# Altium PCB VHDCI_Carrier.PCBDOC (part 5 of 7) (continued)
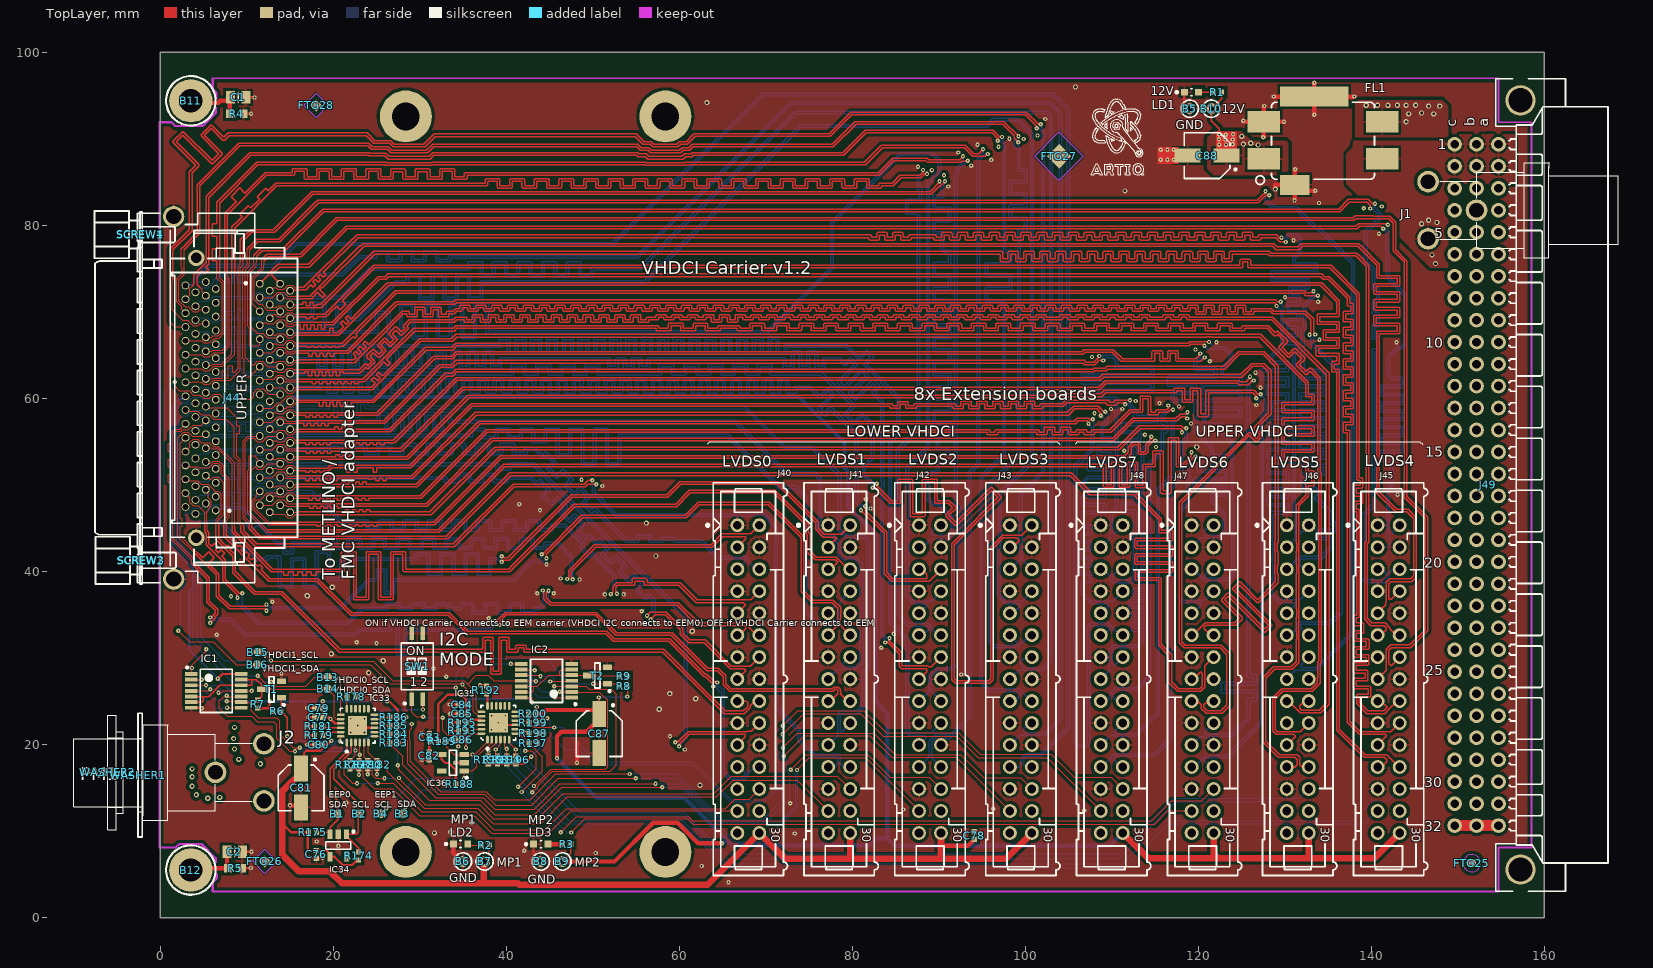
[diagram p0: TopLayer view]
## Nets (pads, with @x,y where several pads share a name; then routed paths per layer and width w, separated by ;. In a path a pad name is that pad's centre, name@x,y a point inside that pad or via, vN(x,y) a via of type N, cw(c..) or ccw(c..) an arc to the next point about the centre after c; other vN are vias at no path point) (continued)
LVDS5_6_N: J44.U49 J46.21 | length 205.5
  TopLayer w0.127: J44.U49@13.875,62.071 14.002,61.944 15.926,61.944 15.952,61.919
  TopLayer w0.152: 15.952,61.919 17,61.919 17.203,61.919 17.61,61.919 17.61,61.7 18.016,61.7 18.016,61.919 18.422,61.919 18.422,61.7 18.829,61.7 18.829,61.919 19.235,61.919 19.235,61.7 19.642,61.7 19.642,61.919 20.048,61.919 20.048,61.7 20.454,61.7 20.454,61.919 20.861,61.919 20.861,61.7 21.267,61.7 21.267,61.919 21.674,61.919 21.674,61.7 22.08,61.7 22.08,61.919 22.486,61.919 22.486,61.7 22.893,61.7 22.893,61.919 23.299,61.919 23.55,61.919 23.693,62.062 23.8,62.169 25.431,63.8 25.575,63.944 25.862,64.231 26.309,63.784 26.597,64.071 26.149,64.518 26.437,64.806 26.666,65.034 29.431,67.8 33.996,67.8 34.296,68.1 57.324,68.1 57.324,67.964 ccw(c57.477,67.964) 57.477,67.811 58.899,67.811 ccw(c58.899,67.964) 59.052,67.964 59.052,68.389 60.169,68.389 60.169,67.964 ccw(c60.322,67.964) 60.322,67.811 61.744,67.811 ccw(c61.744,67.964) 61.896,67.964 61.896,68.389 63.014,68.389 63.014,67.964 ccw(c63.166,67.964) 63.166,67.811 64.589,67.811 ccw(c64.589,67.964) 64.741,67.964 64.741,68.1 66.718,68.1 66.718,67.964 ccw(c66.87,67.964) 66.87,67.811 68.293,67.811 ccw(c68.293,67.964) 68.445,67.964 68.445,68.389 69.563,68.389 69.563,67.964 ccw(c69.715,67.964) 69.715,67.811 71.138,67.811 ccw(c71.138,67.964) 71.29,67.964 71.29,68.389 72.408,68.389 72.408,67.964 ccw(c72.56,67.964) 72.56,67.811 73.982,67.811 ccw(c73.982,67.964) 74.135,67.964 74.135,68.389 75.252,68.389 75.252,67.964 ccw(c75.405,67.964) 75.405,67.811 76.827,67.811 ccw(c76.827,67.964) 76.98,67.964 76.98,68.389 78.097,68.389 78.097,67.964 ccw(c78.25,67.964) 78.25,67.811 79.672,67.811 ccw(c79.672,67.964) 79.824,67.964 79.824,68.389 80.942,68.389 80.942,67.964 ccw(c81.094,67.964) 81.094,67.811 82.517,67.811 ccw(c82.517,67.964) 82.669,67.964 82.669,68.389 83.787,68.389 83.787,67.964 ccw(c83.939,67.964) 83.939,67.811 85.362,67.811 ccw(c85.362,67.964) 85.514,67.964 85.514,68.389 86.632,68.389 86.632,67.964 ccw(c86.784,67.964) 86.784,67.811 88.206,67.811 ccw(c88.206,67.964) 88.359,67.964 88.359,68.389 89.476,68.389 89.476,67.964 ccw(c89.629,67.964) 89.629,67.811 91.051,67.811 ccw(c91.051,67.964) 91.204,67.964 91.204,68.389 92.321,68.389 92.321,67.964 ccw(c92.474,67.964) 92.474,67.811 93.896,67.811 ccw(c93.896,67.964) 94.048,67.964 94.048,68.389 95.166,68.389 95.166,67.964 ccw(c95.318,67.964) 95.318,67.811 96.741,67.811 ccw(c96.741,67.964) 96.893,67.964 96.893,68.389 98.011,68.389 98.011,67.964 ccw(c98.163,67.964) 98.163,67.811 99.586,67.811 ccw(c99.586,67.964) 99.738,67.964 99.738,68.389 100.856,68.389 100.856,67.964 ccw(c101.008,67.964) 101.008,67.811 102.43,67.811 ccw(c102.43,67.964) 102.583,67.964 102.583,68.389 103.7,68.389 103.7,67.964 ccw(c103.853,67.964) 103.853,67.811 105.275,67.811 ccw(c105.275,67.964) 105.428,67.964 105.428,68.389 106.545,68.389 106.545,67.964 ccw(c106.698,67.964) 106.698,67.811 108.12,67.811 ccw(c108.12,67.964) 108.272,67.964 108.272,68.389 109.39,68.389 109.39,67.964 ccw(c109.542,67.964) 109.542,67.811 110.965,67.811 ccw(c110.965,67.964) 111.117,67.964 111.117,68.389 112.235,68.389 112.235,67.964 ccw(c112.387,67.964) 112.387,67.811 113.81,67.811 ccw(c113.81,67.964) 113.962,67.964 113.962,68.389 115.08,68.389 115.08,67.964 ccw(c115.232,67.964) 115.232,67.811 116.654,67.811 ccw(c116.654,67.964) 116.807,67.964 116.807,68.389 117.924,68.389 117.924,67.964 ccw(c118.077,67.964) 118.077,67.811 119.499,67.811 ccw(c119.499,67.964) 119.652,67.964 119.652,68.389 120.769,68.389 120.769,67.981 ccw(c120.922,67.981) 120.922,67.829 122.344,67.829 ccw(c122.344,67.981) 122.496,67.981 122.496,68.389 123.614,68.389 123.614,67.964 ccw(c123.766,67.964) 123.766,67.811 125.189,67.811 ccw(c125.189,67.964) 125.341,67.964 125.341,68.1 127.969,68.1 128.787,67.282 ccw(c128.895,67.389) 129.003,67.282 129.142,67.421 129.933,66.631 129.346,66.044 ccw(c129.454,65.936) 129.346,65.829 130.351,64.823 ccw(c130.46,64.931) 130.567,64.823 131.154,65.409 131.944,64.619 131.358,64.033 ccw(c131.465,63.925) 131.358,63.817 132.363,62.812 ccw(c132.471,62.919) 132.579,62.811 132.918,63.151 133.8,62.269 133.8,51.3 133.885,51.215 133.885,29.648 133.8,29.563 133.8,27.7 133.758,27.658 133.758,27.16 133.043,26.446 129.631,26.446 128.621,25.435 128.621,24.841 128.595,24.816 128.595,21.574 128.981,21.188 131.012,21.188 131.2,21 131.2,20.941 J46.21@130.215,19.956
LVDS5_6_P: J44.U15 J46.20 | length 204.4
  TopLayer w0.127: J44.U15@11.525,62.071 11.684,62.23 13.128,62.23 13.61,62.711 14.14,62.711 14.654,62.198 15.926,62.198 15.952,62.223
  TopLayer w0.152: 15.952,62.223 23.423,62.223 29.305,68.105 33.87,68.105 34.17,68.405 57.477,68.405 cw(c57.477,68.252) 57.629,68.252 57.629,68.116 58.747,68.116 58.747,68.541 cw(c58.899,68.541) 58.899,68.694 60.322,68.694 cw(c60.322,68.541) 60.474,68.541 60.474,68.116 61.592,68.116 61.592,68.541 cw(c61.744,68.541) 61.744,68.694 63.166,68.694 cw(c63.166,68.541) 63.319,68.541 63.319,68.116 64.436,68.116 64.436,68.252 cw(c64.589,68.252) 64.589,68.405 66.87,68.405 cw(c66.87,68.252) 67.023,68.252 67.023,68.116 68.14,68.116 68.14,68.541 cw(c68.293,68.541) 68.293,68.694 69.715,68.694 cw(c69.715,68.541) 69.868,68.541 69.868,68.116 70.985,68.116 70.985,68.541 cw(c71.138,68.541) 71.138,68.694 72.56,68.694 cw(c72.56,68.541) 72.712,68.541 72.712,68.116 73.83,68.116 73.83,68.541 cw(c73.982,68.541) 73.982,68.694 75.405,68.694 cw(c75.405,68.541) 75.557,68.541 75.557,68.116 76.675,68.116 76.675,68.541 cw(c76.827,68.541) 76.827,68.694 78.25,68.694 cw(c78.25,68.541) 78.402,68.541 78.402,68.116 79.52,68.116 79.52,68.541 cw(c79.672,68.541) 79.672,68.694 81.094,68.694 cw(c81.094,68.541) 81.247,68.541 81.247,68.116 82.364,68.116 82.364,68.541 cw(c82.517,68.541) 82.517,68.694 83.939,68.694 cw(c83.939,68.541) 84.092,68.541 84.092,68.116 85.209,68.116 85.209,68.541 cw(c85.362,68.541) 85.362,68.694 86.784,68.694 cw(c86.784,68.541) 86.936,68.541 86.936,68.116 88.054,68.116 88.054,68.541 cw(c88.206,68.541) 88.206,68.694 89.629,68.694 cw(c89.629,68.541) 89.781,68.541 89.781,68.116 90.899,68.116 90.899,68.541 cw(c91.051,68.541) 91.051,68.694 92.474,68.694 cw(c92.474,68.541) 92.626,68.541 92.626,68.116 93.744,68.116 93.744,68.541 cw(c93.896,68.541) 93.896,68.694 95.318,68.694 cw(c95.318,68.541) 95.471,68.541 95.471,68.116 96.588,68.116 96.588,68.541 cw(c96.741,68.541) 96.741,68.694 98.163,68.694 cw(c98.163,68.541) 98.316,68.541 98.316,68.116 99.433,68.116 99.433,68.541 cw(c99.586,68.541) 99.586,68.694 101.008,68.694 cw(c101.008,68.541) 101.16,68.541 101.16,68.116 102.278,68.116 102.278,68.541 cw(c102.43,68.541) 102.43,68.694 103.853,68.694 cw(c103.853,68.541) 104.005,68.541 104.005,68.116 105.123,68.116 105.123,68.541 cw(c105.275,68.541) 105.275,68.694 106.698,68.694 cw(c106.698,68.541) 106.85,68.541 106.85,68.116 107.968,68.116 107.968,68.541 cw(c108.12,68.541) 108.12,68.694 109.542,68.694 cw(c109.542,68.541) 109.695,68.541 109.695,68.116 110.812,68.116 110.812,68.541 cw(c110.965,68.541) 110.965,68.694 112.387,68.694 cw(c112.387,68.541) 112.54,68.541 112.54,68.116 113.657,68.116 113.657,68.541 cw(c113.81,68.541) 113.81,68.694 115.232,68.694 cw(c115.232,68.541) 115.384,68.541 115.384,68.116 116.502,68.116 116.502,68.541 cw(c116.654,68.541) 116.654,68.694 118.077,68.694 cw(c118.077,68.541) 118.229,68.541 118.229,68.116 119.347,68.116 119.347,68.541 cw(c119.499,68.541) 119.499,68.694 120.922,68.694 cw(c120.922,68.541) 121.074,68.541 121.074,68.134 122.192,68.134 122.192,68.541 cw(c122.344,68.541) 122.344,68.694 123.766,68.694 cw(c123.766,68.541) 123.919,68.541 123.919,68.116 125.036,68.116 125.036,68.252 cw(c125.189,68.252) 125.189,68.405 128.095,68.405 128.895,67.605 129.034,67.744 cw(c129.142,67.636) 129.25,67.744 130.256,66.738 cw(c130.148,66.631) 130.3,66.631 cw(c130.148,66.631) 130.256,66.523 129.669,65.936 130.46,65.146 131.046,65.733 cw(c131.154,65.625) 131.262,65.732 132.267,64.727 cw(c132.16,64.619) 132.312,64.619 cw(c132.16,64.619) 132.267,64.511 131.681,63.925 132.471,63.135 132.811,63.474 cw(c132.918,63.366) 133.027,63.473 134.105,62.395 134.105,51.426 134.19,51.341 134.19,29.522 134.105,29.437 134.105,27.112 133.159,26.166 129.747,26.166 128.9,25.319 128.9,21.7 129.107,21.493 131.752,21.493 J46.20@132.755,22.496
LVDS5_7_N: J44.U50 J46.24 | length 205
  TopLayer w0.127: J44.U50@15.025,61.271 15.922,61.271 15.945,61.294
  TopLayer w0.152: 15.945,61.294 24.394,61.294 24.7,61.6 24.844,61.744 24.397,62.191 24.684,62.478 25.131,62.031 25.418,62.318 24.971,62.766 25.259,63.053 25.706,62.606 25.9,62.8 30.005,66.905 33.676,66.905 34.176,67.405 120.839,67.405 120.856,67.422 121.589,67.422 121.607,67.405 127.195,67.405 132.705,61.895 132.705,60.495 133.241,60.495 cw(c133.241,60.343) 133.394,60.343 133.394,59.428 cw(c133.241,59.428) 133.241,59.276 129.916,59.276 129.916,58.666 133.241,58.666 cw(c133.241,58.514) 133.394,58.514 133.394,57.6 cw(c133.241,57.6) 133.241,57.447 129.916,57.447 129.916,56.838 133.241,56.838 cw(c133.241,56.685) 133.394,56.685 133.394,55.771 cw(c133.241,55.771) 133.241,55.618 129.916,55.618 129.916,55.009 133.241,55.009 cw(c133.241,54.856) 133.394,54.856 133.394,53.942 cw(c133.241,53.942) 133.241,53.79 129.916,53.79 129.916,53.18 132.552,53.18 cw(c132.552,53.028) 132.705,53.028 132.705,51.641 133.241,51.641 cw(c133.241,51.489) 133.394,51.489 133.394,50.066 cw(c133.241,50.066) 133.241,49.914 132.705,49.914 132.705,48.71 131.605,47.61 131.605,43.42 131.624,43.4 131.624,42.232 131.605,42.212 131.605,40.88 131.624,40.86 131.624,39.692 131.605,39.672 131.605,35.8 131.624,35.78 131.624,34.612 131.605,34.592 131.605,33.26 131.624,33.24 131.624,32.072 131.605,32.052 131.605,29.474 130.826,28.695 130.694,28.695 130.683,28.706 129.747,28.706 129.736,28.695 128.795,28.695 127.8,27.7 127.8,20.4 129.374,18.826 131.405,18.826 131.705,18.526 131.705,17.7 131.989,17.416 J46.24@132.755,17.416
LVDS5_7_P: J44.U16 J46.23 | length 204.9
  TopLayer w0.127: J44.U16@12.675,61.271 14.119,61.271 14.76,60.63 15.29,60.63 15.677,61.017 15.747,61.017 15.752,61.012 15.922,61.012 15.945,60.989
  TopLayer w0.152: 15.945,60.989 24.52,60.989 30.131,66.6 33.802,66.6 34.302,67.1 120.965,67.1 120.983,67.118 121.463,67.118 121.481,67.1 127.069,67.1 132.4,61.769 132.4,60.343 ccw(c132.552,60.343) 132.552,60.19 133.089,60.19 133.089,59.581 129.764,59.581 ccw(c129.764,59.428) 129.611,59.428 129.611,58.514 ccw(c129.764,58.514) 129.764,58.362 133.089,58.362 133.089,57.752 129.764,57.752 ccw(c129.764,57.6) 129.611,57.6 129.611,56.685 ccw(c129.764,56.685) 129.764,56.533 133.089,56.533 133.089,55.923 129.764,55.923 ccw(c129.764,55.771) 129.611,55.771 129.611,54.856 ccw(c129.764,54.856) 129.764,54.704 133.089,54.704 133.089,54.094 129.764,54.094 ccw(c129.764,53.942) 129.611,53.942 129.611,53.028 ccw(c129.764,53.028) 129.764,52.875 132.4,52.875 132.4,51.489 ccw(c132.552,51.489) 132.552,51.336 133.089,51.336 133.089,50.219 132.552,50.219 ccw(c132.552,50.066) 132.4,50.066 132.4,48.8 131.407,47.807 131.325,47.725 131.325,45.625 131.3,45.6 131.3,43.329 131.345,43.284 131.345,42.348 131.3,42.303 131.3,40.789 131.345,40.744 131.345,39.808 131.3,39.763 131.3,35.709 131.345,35.664 131.345,34.728 131.3,34.683 131.3,33.169 131.345,33.124 131.345,32.188 131.3,32.143 131.3,29.6 130.7,29 128.669,29 127.584,27.916 127.495,27.826 127.495,20.274 129.248,18.521 131.163,18.521 131.4,18.284 131.4,17.7 131.116,17.416 J46.23@130.215,17.416
LVDS6_0_N: J44.U54 J47.3 | length 174.3
  TopLayer w0.127: J44.U54@15.025,58.071 15.045,58.091 15.825,58.091 15.85,58.066
  TopLayer w0.152: 15.85,58.066 16.2,58.066 16.403,58.066 16.81,58.066 16.81,57.83 17.216,57.83 17.216,58.066 17.622,58.066 17.622,57.83 18.029,57.83 18.029,58.066 18.435,58.066 18.435,57.83 18.842,57.83 18.842,58.066 19.248,58.066 19.248,57.83 19.654,57.83 19.654,58.066 20.061,58.066 20.061,57.83 20.467,57.83 20.467,58.066 20.524,58.066 25.197,58.066 31.731,64.6 33.814,64.6 34.314,65.1 106.631,65.1 106.894,65.363 110.037,65.363 111.105,64.295 114.785,64.295 ccw(c114.785,64.448) 114.938,64.448 114.938,65.21 115.547,65.21 115.547,64.448 ccw(c115.7,64.448) 115.7,64.295 116.614,64.295 ccw(c116.614,64.448) 116.766,64.448 116.766,65.21 117.376,65.21 117.376,64.448 ccw(c117.528,64.448) 117.528,64.295 119.716,64.295 120.25,64.295 v1@120.69,64.735
  BottomLayer w0.152: J47.3@119.215,42.816 120.294,43.895 120.9,43.895 122.526,43.895 123.105,44.474 123.105,46.826 121.727,48.204 121.727,48.731 123.216,48.731 ccw(c123.216,48.871) 123.355,48.871 123.355,49.785 ccw(c123.216,49.785) 123.216,49.925 119.686,49.925 119.686,50.56 123.216,50.56 ccw(c123.216,50.7) 123.355,50.7 123.355,51.614 ccw(c123.216,51.614) 123.216,51.754 120.186,51.754 120.186,52.389 123.216,52.389 ccw(c123.216,52.528) 123.355,52.528 123.355,53.443 ccw(c123.216,53.443) 123.216,53.582 121.727,53.582 121.727,54.368 121.6,54.495 121.6,54.531 119.787,56.344 119.787,56.689 119.91,56.812 119.91,57.44 119.787,57.563 119.787,59.732 ccw(c119.635,59.732) 119.635,59.885 117.155,59.885 117.155,60.494 119.635,60.494 ccw(c119.635,60.647) 119.787,60.647 119.787,61.561 ccw(c119.635,61.561) 119.635,61.714 116.712,61.714 116.712,62.323 122.01,62.323 ccw(c122.01,62.476) 122.162,62.476 122.162,63.39 ccw(c122.01,63.39) 122.01,63.542 119.787,63.542 119.787,64.013 120.51,64.735 v1(120.738,64.735)
LVDS6_0_P: J44.U20 J47.2 | length 174
  TopLayer w0.127: J44.U20@12.675,58.071 12.949,58.345 13.495,58.345 13.61,58.23 14.279,58.23 14.76,58.711 15.29,58.711 15.656,58.345 15.825,58.345 15.85,58.371
  TopLayer w0.152: 15.85,58.371 25.071,58.371 31.405,64.705 31.605,64.905 33.687,64.905 34.187,65.405 106.505,65.405 106.705,65.605 106.768,65.668 110.163,65.668 110.226,65.605 111.231,64.6 114.633,64.6 114.633,65.362 cw(c114.785,65.362) 114.785,65.514 115.7,65.514 cw(c115.7,65.362) 115.852,65.362 115.852,64.6 116.462,64.6 116.462,65.362 cw(c116.614,65.362) 116.614,65.514 117.528,65.514 cw(c117.528,65.362) 117.681,65.362 117.681,64.6 119.716,64.6 v1@120.294,65.179
  BottomLayer w0.152: v1@120.294,65.179 120.259,65.143 120.259,64.915 119.482,64.139 119.482,63.39 ccw(c119.635,63.39) 119.635,63.238 121.857,63.238 121.857,62.628 116.559,62.628 ccw(c116.559,62.476) 116.407,62.476 116.407,61.561 ccw(c116.559,61.561) 116.559,61.409 119.482,61.409 119.482,60.799 117.003,60.799 ccw(c117.003,60.647) 116.85,60.647 116.85,59.732 ccw(c117.003,59.732) 117.003,59.58 119.482,59.58 119.482,57.436 119.605,57.314 119.605,56.938 119.482,56.816 119.482,56.218 121.448,54.252 121.448,53.443 ccw(c121.587,53.443) 121.587,53.303 123.076,53.303 123.076,52.668 120.046,52.668 ccw(c120.046,52.528) 119.906,52.528 119.906,51.614 ccw(c120.046,51.614) 120.046,51.474 123.076,51.474 123.076,50.839 119.546,50.839 ccw(c119.546,50.7) 119.406,50.7 119.406,49.785 ccw(c119.546,49.785) 119.546,49.645 123.076,49.645 123.076,49.01 121.587,49.01 ccw(c121.587,48.871) 121.448,48.871 121.448,48.052 122.8,46.7 122.8,44.6 122.4,44.2 120.9,44.2 120.7,44.4 120.7,44.7 121.356,45.356 J47.2@121.755,45.356
  other v1: 120.2,65.2
LVDS6_1_N: J44.U53 J47.6 | length 173.9
  TopLayer w0.127: J44.U53@13.875,58.871 14.56,58.871 14.719,59.03 15.29,59.03 15.709,59.449
  TopLayer w0.152: 15.709,59.449 15.807,59.548 17.8,59.548 18.003,59.548 18.41,59.548 18.41,59.129 18.816,59.129 18.816,59.548 19.222,59.548 19.222,59.129 19.629,59.129 19.629,59.548 20.035,59.548 20.035,59.129 20.442,59.129 20.442,59.548 20.848,59.548 20.848,59.129 21.254,59.129 21.254,59.548 21.661,59.548 21.661,59.129 22.067,59.129 22.067,59.548 22.474,59.548 22.88,59.548 22.9,59.548 24.717,59.548 30.77,65.6 33.808,65.6 34.303,66.095 118.926,66.095 119.116,66.284 120.515,66.284 v1(120.7,66.1)
  BottomLayer w0.152: v1(120.7,66.1) 121.1,65.7 123,65.7 123.6,65.1 123.6,64.531 122.569,63.5 122.569,62.543 ccw(c122.721,62.543) 122.721,62.39 124.698,62.39 124.698,61.781 120.515,61.781 ccw(c120.515,61.628) 120.362,61.628 120.362,60.714 ccw(c120.515,60.714) 120.515,60.562 124.698,60.562 124.698,59.952 120.515,59.952 ccw(c120.515,59.8) 120.362,59.8 120.362,58.885 ccw(c120.515,58.885) 120.515,58.733 124.698,58.733 124.698,58.123 120.637,58.123 ccw(c120.637,57.971) 120.485,57.971 120.485,57.056 ccw(c120.637,57.056) 120.637,56.904 122.569,56.904 122.569,56.036 123.762,54.843 123.762,47.338 123.826,47.274 123.826,39.726 123.329,39.229 120.908,39.229 120.8,39.337 120.8,39.663 121.413,40.276 J47.6@121.755,40.276
LVDS6_1_P: J44.U19 J47.5 | length 174.2
  TopLayer w0.127: J44.U19@11.525,58.871 12.969,58.871 13.61,59.511 13.96,59.511 14.76,60.311 15.29,60.311 15.758,59.844
  TopLayer w0.152: 15.758,59.844 15.775,59.827 24.566,59.827 30.543,65.805 30.643,65.905 33.682,65.905 34.177,66.4 118.8,66.4 118.989,66.589 120.641,66.589 120.652,66.578 121.182,66.578 v1(121.223,66.537)
  BottomLayer w0.152: J47.5@119.215,40.276 119.43,40.276 120.782,38.924 123.455,38.924 124.13,39.6 124.13,47.401 124.041,47.49 124.041,54.959 122.873,56.127 122.873,57.056 ccw(c122.721,57.056) 122.721,57.209 120.79,57.209 120.79,57.818 124.851,57.818 ccw(c124.851,57.971) 125.003,57.971 125.003,58.885 ccw(c124.851,58.885) 124.851,59.038 120.667,59.038 120.667,59.647 124.851,59.647 ccw(c124.851,59.8) 125.003,59.8 125.003,60.714 ccw(c124.851,60.714) 124.851,60.866 120.667,60.866 120.667,61.476 124.851,61.476 ccw(c124.851,61.628) 125.003,61.628 125.003,62.543 ccw(c124.851,62.543) 124.851,62.695 122.873,62.695 122.873,63.373 123.905,64.405 123.905,65.226 123.126,66.005 121.756,66.005 v1(121.223,66.537)
LVDS6_2_N: J44.U61 J47.9 | length 174.7
  TopLayer w0.127: 12.472,44.832 12.447,44.807 10.38,46.873 10.38,47.191 10.376,47.195 10.376,48.147 10.38,48.151 10.38,51.525 10.972,52.118 11.26,51.83 11.79,51.83 12.431,52.471 J44.U61@13.875,52.471
  TopLayer w0.152: 12.472,44.832 32.132,44.832 39.7,52.4 109.171,52.4 cw(c109.171,52.248) 109.323,52.248 109.323,50.033 109.933,50.033 109.933,52.476 cw(c110.085,52.476) 110.085,52.629 111,52.629 cw(c111,52.476) 111.152,52.476 111.152,50.033 111.762,50.033 111.762,52.476 cw(c111.914,52.476) 111.914,52.629 112.828,52.629 cw(c112.828,52.476) 112.981,52.476 112.981,49.999 113.59,49.999 113.59,52.248 cw(c113.743,52.248) 113.743,52.4 114.705,52.4 114.705,53.794 cw(c114.857,53.794) 114.857,53.947 115.772,53.947 cw(c115.772,53.794) 115.924,53.794 115.924,49.324 116.534,49.324 116.534,55.323 cw(c116.686,55.323) 116.686,55.476 117.6,55.476 cw(c117.6,55.323) 117.753,55.323 117.753,52.4 118.169,52.4 119.177,53.408 119.177,53.441 119.2,53.464 v1(119.2,53.8)
  BottomLayer w0.152: v1(119.2,53.8) v1@119.2,53.674 ; J47.9@119.215,35.41 J47.9@119.215,35.196 119.396,35.196 120.4,36.2 120.205,36.395 118.174,36.395 118.084,36.484 117.805,36.764 117.805,47.136 118.695,48.026 118.695,52.153 119.195,52.653 119.195,53.213 119.2,53.218 v1@119.2,53.674 ; v1@119.263,53.737 v1@119.2,53.674
LVDS6_2_P: J44.U27 J47.8 | length 173.9
  TopLayer w0.127: J44.U27@11.525,52.471 11.525,52.675 11.11,53.09 11.11,53.4 10.3,53.4 10.3,51.804 10.126,51.63 10.126,48.256 10.122,48.252 10.122,47.09 10.126,47.086 10.126,46.768 12.341,44.553 12.447,44.553 12.472,44.528
  TopLayer w0.152: 12.472,44.528 32.259,44.528 39.826,52.095 109.018,52.095 109.018,49.88 ccw(c109.171,49.88) 109.171,49.728 110.085,49.728 ccw(c110.085,49.88) 110.238,49.88 110.238,52.324 110.847,52.324 110.847,49.88 ccw(c111,49.88) 111,49.728 111.914,49.728 ccw(c111.914,49.88) 112.066,49.88 112.066,52.324 112.676,52.324 112.676,49.846 ccw(c112.828,49.846) 112.828,49.694 113.743,49.694 ccw(c113.743,49.846) 113.895,49.846 113.895,52.095 114.857,52.095 ccw(c114.857,52.248) 115.01,52.248 115.01,53.642 115.619,53.642 115.619,49.172 ccw(c115.772,49.172) 115.772,49.02 116.686,49.02 ccw(c116.686,49.172) 116.838,49.172 116.838,55.171 117.448,55.171 117.448,52.248 ccw(c117.6,52.248) 117.6,52.095 118.295,52.095 119.494,53.294 v1(119.706,53.294)
  BottomLayer w0.152: v1(119.706,53.294) 119.5,53.087 119.5,52.526 119,52.026 119,47.9 118.085,46.985 118.085,36.915 118.3,36.7 120.719,36.7 J47.8@121.755,37.736
LVDS6_3_N: J44.U56 J47.12 | length 175.5
  TopLayer w0.127: J44.U56@15.025,56.471 15.081,56.415 15.825,56.415 15.85,56.44
  TopLayer w0.152: 15.85,56.44 20,56.44 20.203,56.44 20.203,56.712 20.61,56.712 20.61,56.44 21.016,56.44 21.016,56.712 21.422,56.712 21.422,56.44 21.829,56.44 21.829,56.712 22.235,56.712 22.235,56.44 22.6,56.44 26.489,56.44 32.753,62.705 32.953,62.905 33.699,62.905 34.18,63.386 107.803,63.386 107.918,63.5 109.216,63.5 109.421,63.705 122.905,63.705 124.605,65.405 127.626,65.405 129.116,63.916 129.205,63.826 129.205,59.597 129.205,59.577 129.204,59.532 129.2,59.528 129.2,59.482 129.194,59.475 129.194,59.428 129.197,59.428 129.197,59.301 129.205,59.293 129.205,58.649 129.197,58.641 129.197,58.514 129.194,58.514 129.194,58.467 129.2,58.461 129.2,58.415 129.204,58.41 129.204,58.366 129.205,58.346 129.205,57.768 129.205,57.749 129.204,57.703 129.2,57.699 129.2,57.653 129.194,57.647 129.194,57.6 129.197,57.6 129.197,57.473 129.205,57.465 129.205,56.82 129.197,56.812 129.197,56.685 129.194,56.685 129.194,56.638 129.2,56.632 129.2,56.586 129.204,56.582 129.204,56.537 129.205,56.517 129.205,55.939 129.205,55.92 129.204,55.874 129.2,55.87 129.2,55.824 129.194,55.818 129.194,55.771 129.197,55.771 129.197,55.644 129.205,55.636 129.205,54.991 129.197,54.983 129.197,54.856 129.194,54.856 129.194,54.809 129.2,54.803 129.2,54.757 129.204,54.753 129.204,54.708 129.205,54.688 129.205,54.11 129.205,54.091 129.204,54.046 129.2,54.041 129.2,53.995 129.194,53.989 129.194,53.942 129.197,53.942 129.197,53.815 129.205,53.807 129.205,53.163 129.197,53.155 129.197,53.028 129.194,53.028 129.194,52.981 129.2,52.974 129.2,52.928 129.204,52.924 129.204,52.879 129.205,52.859 129.205,43.404 129.085,43.284 129.085,42.348 129.205,42.228 129.205,40.864 129.085,40.744 129.085,39.808 129.205,39.688 129.205,38.674 129.116,38.584 126.979,36.448 cw(c126.871,36.555) 126.763,36.448 124.761,38.45 124.33,38.018 128.442,33.907 ; J47.12@121.755,32.656 121.511,32.9 121.2,32.9 120.7,33.4 120.7,33.6 120.895,33.795 124.326,33.795 125.039,34.508 ccw(c124.931,34.616) 125.083,34.616 ccw(c124.931,34.616) 125.039,34.723 123.037,36.725 123.468,37.156 127.58,33.045 ccw(c127.687,33.152) 127.796,33.045 ; 127.795,33.045 128.442,33.691 ccw(c128.334,33.799) 128.486,33.799 ccw(c128.334,33.799) 128.441,33.907
LVDS6_3_P: J44.U22 J47.11 | length 176
  TopLayer w0.127: J44.U22@12.675,56.471 12.985,56.161 13.459,56.161 13.61,56.311 14.278,56.311 14.76,55.83 15.29,55.83 15.62,56.161 15.825,56.161 15.85,56.135
  TopLayer w0.152: 15.85,56.135 26.615,56.135 33.08,62.6 33.825,62.6 34.306,63.081 107.929,63.081 108.044,63.196 109.343,63.196 109.547,63.4 123.031,63.4 124.731,65.1 127.5,65.1 128.9,63.7 128.9,43.495 128.805,43.4 128.805,42.232 128.9,42.137 128.9,40.955 128.805,40.86 128.805,39.692 128.9,39.597 128.9,38.8 126.871,36.771 124.869,38.773 ; J47.11@119.215,32.656 119.325,32.656 120.484,33.816 120.769,34.1 124.2,34.1 124.716,34.616 122.714,36.618 cw(c122.821,36.725) 122.714,36.834 ; 122.714,36.833 123.36,37.48 cw(c123.468,37.372) 123.576,37.479 ; 123.576,37.48 127.687,33.368 128.118,33.799 124.007,37.911 cw(c124.114,38.018) 124.007,38.127 124.653,38.773 cw(c124.761,38.665) 124.869,38.772
LVDS6_4_N: J44.U57 J47.15 | length 176
  TopLayer w0.127: 10.585,45.52 10.485,45.62 9.872,46.232 9.872,46.981 9.868,46.985 9.868,48.357 9.872,48.361 9.872,55.027 10.262,55.417 10.873,55.417 11.26,55.03 11.79,55.03 12.431,55.671 J44.U57@13.875,55.671
  TopLayer w0.152: 10.585,45.52 10.585,45.1 11.585,44.1 33.1,44.1 40.4,51.4 49.526,51.4 49.572,51.446 50.305,51.446 50.352,51.4 105.331,51.4 107.531,49.2 112.636,49.2 115.705,46.131 115.705,44.795 116.889,44.795 cw(c116.889,44.643) 117.042,44.643 117.042,43.728 cw(c116.889,43.728) 116.889,43.576 112.961,43.576 112.961,42.966 116.889,42.966 cw(c116.889,42.814) 117.042,42.814 117.042,41.9 cw(c116.889,41.9) 116.889,41.747 112.961,41.747 112.961,41.138 116.889,41.138 cw(c116.889,40.985) 117.042,40.985 117.042,40.071 cw(c116.889,40.071) 116.889,39.918 113.005,39.918 113.005,39.309 115.552,39.309 cw(c115.552,39.156) 115.705,39.156 115.705,31.6 116.905,30.4 116.905,27.295 117.729,26.471 120.171,26.471 120.447,26.747 120.447,28.253 120.3,28.4 119.476,27.576 J47.15@119.215,27.576
LVDS6_4_P: J44.U23 J47.14 | length 175.3
  TopLayer w0.127: 10.28,45.415 10.305,45.44 9.618,46.127 9.618,46.876 9.614,46.88 9.614,48.462 9.618,48.466 9.618,55.132 10.157,55.671 J44.U23@11.525,55.671
  TopLayer w0.152: 10.28,45.415 10.28,44.974 11.458,43.795 33.226,43.795 40.526,51.095 49.652,51.095 49.698,51.142 50.179,51.142 50.225,51.095 105.205,51.095 107.405,48.895 112.51,48.895 115.4,46.005 115.4,44.643 ccw(c115.552,44.643) 115.552,44.49 116.737,44.49 116.737,43.881 112.809,43.881 ccw(c112.809,43.728) 112.656,43.728 112.656,42.814 ccw(c112.809,42.814) 112.809,42.662 116.737,42.662 116.737,42.052 112.809,42.052 ccw(c112.809,41.9) 112.656,41.9 112.656,40.985 ccw(c112.809,40.985) 112.809,40.833 116.737,40.833 116.737,40.223 112.853,40.223 ccw(c112.853,40.071) 112.7,40.071 112.7,39.156 ccw(c112.853,39.156) 112.853,39.004 115.4,39.004 115.4,31.474 116.6,30.274 116.6,27.169 117.603,26.166 120.297,26.166 120.752,26.621 120.752,28.253 120.752,29.113 J47.14@121.755,30.116
LVDS6_5_N: J44.U58 J47.18 | length 175.9
  TopLayer w0.127: J44.U58@15.025,54.871 15.045,54.891 15.825,54.891 15.85,54.865
  TopLayer w0.152: 15.85,54.865 16.2,54.865 16.403,54.865 16.81,54.865 16.81,54.637 17.216,54.637 17.216,54.865 17.622,54.865 17.622,54.637 18.029,54.637 18.029,54.865 18.435,54.865 18.435,54.637 18.842,54.637 18.842,54.865 19.248,54.865 19.248,54.637 19.654,54.637 19.654,54.865 20.061,54.865 20.467,54.865 20.8,54.865 21.003,54.865 21.41,54.865 21.41,54.637 21.816,54.637 21.816,54.865 22.222,54.865 22.222,54.637 22.629,54.637 22.629,54.865 23.035,54.865 23.035,54.637 23.442,54.637 23.442,54.865 23.848,54.865 23.848,54.637 24.254,54.637 24.254,54.865 24.661,54.865 24.661,54.637 25.067,54.637 25.067,54.865 25.474,54.865 25.474,54.637 25.88,54.637 25.88,54.865 26.286,54.865 26.693,54.865 27.096,54.865 27.24,55.009 27.527,55.296 27.815,55.584 34.331,62.1 108.684,62.1 109.069,62.484 125.038,62.484 126.294,63.741 127.459,63.741 128.1,63.1 128.1,58.334 126.443,56.677 ccw(c126.542,56.578) 126.443,56.479 127.126,55.796 126.677,55.347 125.994,56.03 ccw(c125.895,55.931) 125.796,56.03 117.78,48.014 117.78,34.602 117.795,34.586 117.795,33.266 117.78,33.25 117.78,32.062 117.795,32.046 117.795,31.774 117.884,31.684 118.374,31.195 122.505,31.195 123.3,30.4 123.3,24.6 122.606,23.906 121.032,23.906 120.637,24.3 120.637,24.6 121.073,25.036 J47.18@121.755,25.036